# Altium PCB core.PcbDoc (continued)
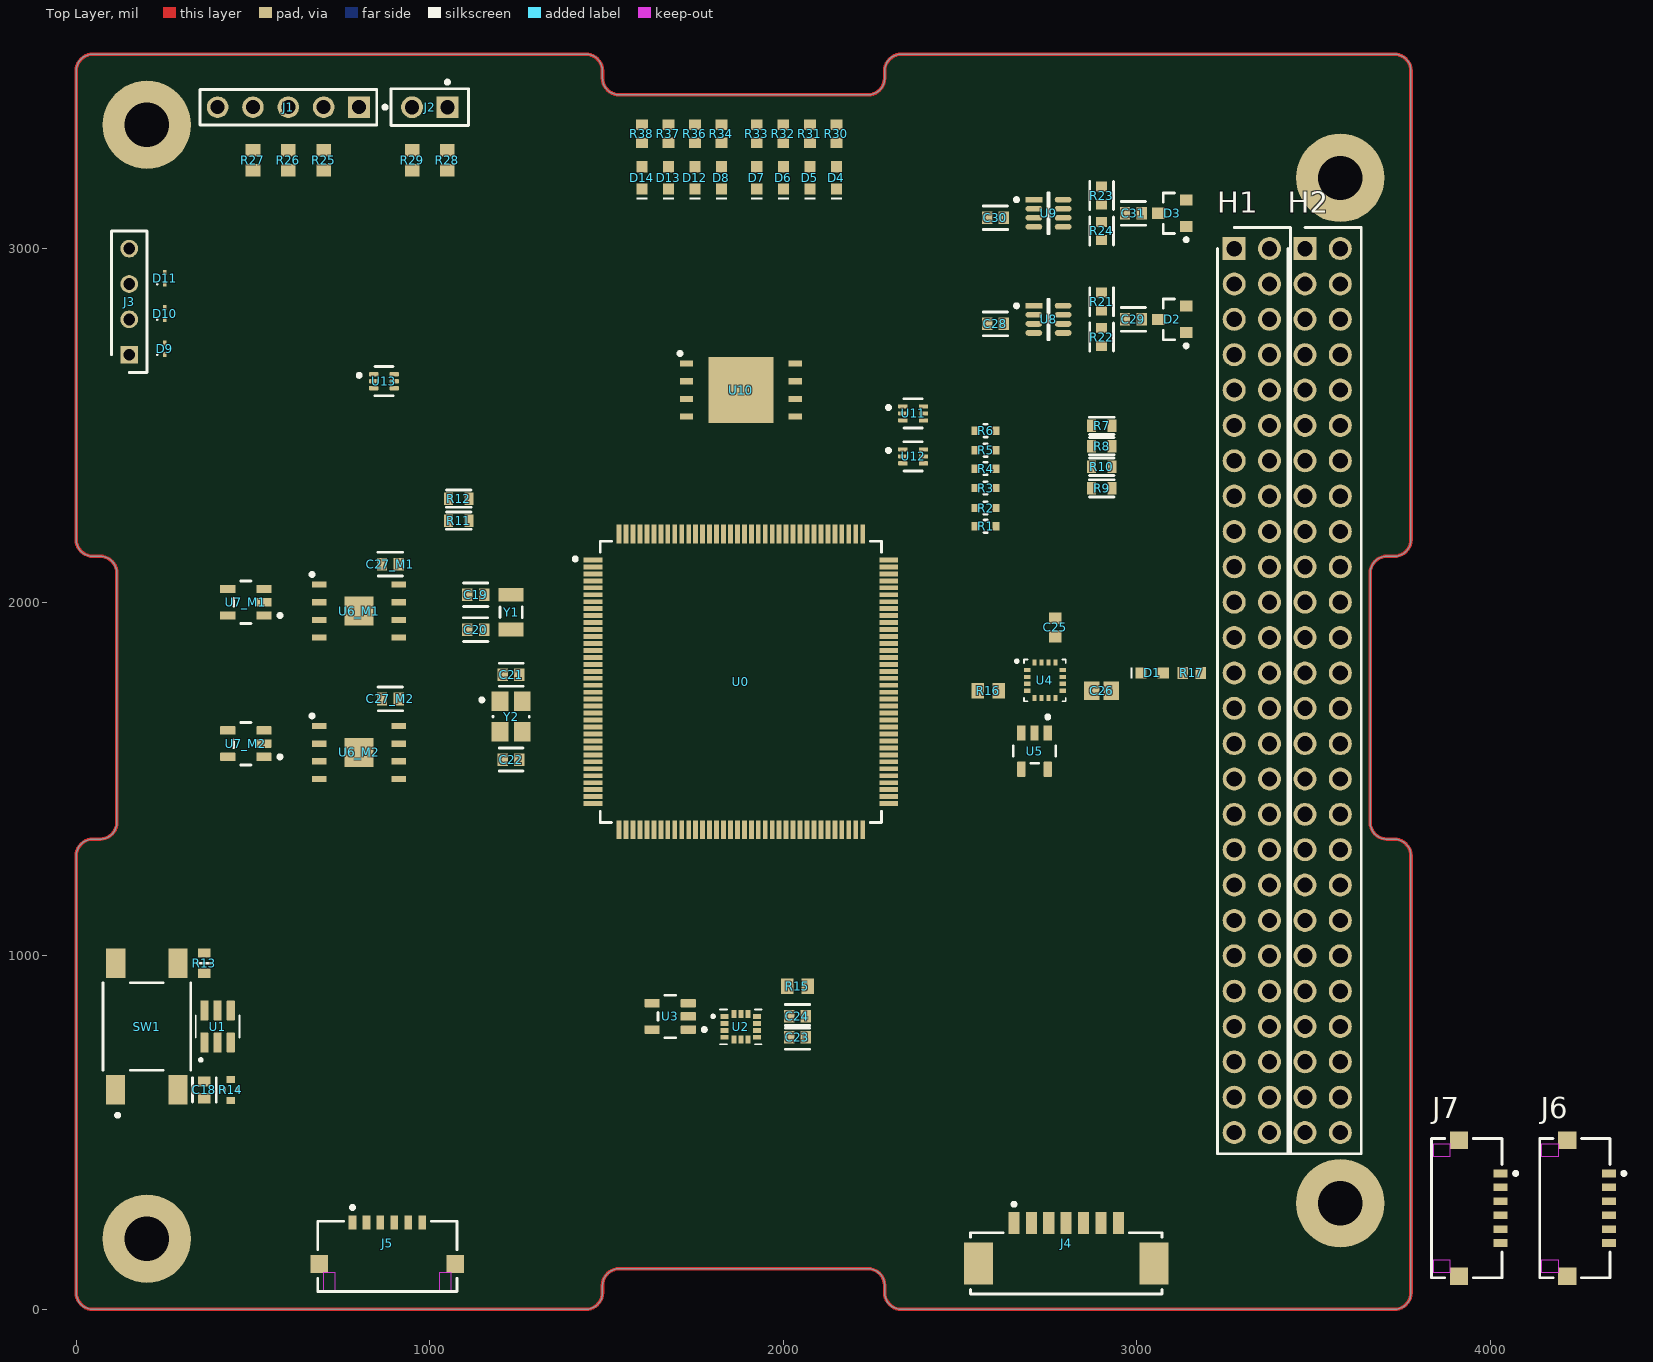
[diagram p0: Top Layer view]
## Footprints (in the part's own frame and the unit in brackets; to place one, negate y for a bottom-side part, rotate by r counter-clockwise, add the part's x,y. Pads: shape width x height; smd on the part's side, far side on the other; paste and mask are expansions set on the pad) (continued)
  silkscreen extent -1.52,-1.2 65.02,4.05, body extent -1.52,-1.2 65.02,3.74, height 11.35
SON127P600X500X90-9N-D [mm]
  rect 1.05x0.45 smd: 1(-2.85,1.905) 2(-2.85,0.635) 3(-2.85,-0.635) 4(-2.85,-1.905) 5(2.85,-1.905) 6(2.85,-0.635) 7(2.85,0.635) 8(2.85,1.905)
  rect 2.1x2.1 smd: 9(0,0)
  silkscreen extent -3.5,2.51 -3.25,2.75, body extent -3.05,-2.5 3.05,2.5, height 0.9
SON127P800X600X80-9N-D [mm]
  rect 0.95x0.45 smd: 1(-3.9,1.905) 2(-3.9,0.635) 3(-3.9,-0.635) 4(-3.9,-1.905) 5(3.9,-1.905) 6(3.9,-0.635) 7(3.9,0.635) 8(3.9,1.905)
  rect 4.65x4.75 smd: 9(0,0)
  silkscreen extent -4.5,2.51 -4.25,2.75, body extent -4.05,-3 4.05,3, height 0.8
SOT95P280X110-6N [mm]
  rrect25% 1.45x0.59 smd: 1(-1.155,0.95) 2(-1.155,0) 3(-1.155,-0.95) 4(1.155,-0.95) 5(1.155,0) 6(1.155,0.95)
  silkscreen extent -2.5,-1.57 0.8,1.57, body extent -1.4,-1.45 1.4,1.45, height 1.1
WL-SMCW_0603_150060xx75000 [mm] "SMD Mono-color Chip LED, body 1.60 x 0.80 mm"
  rect 0.8x0.8 smd: 1(-0.8,0) 2(0.8,0)
  silkscreen extent -1.55,-0.4 -1.4,0.4, body extent -0.8,-0.4 0.8,0.4, height 0.7
XDCR_ISM330ISNTR [mm]
  rect 0.575x0.35 smd mask+0.05: 1(-1.162,0.75) 2(-1.162,0.25) 3(-1.162,-0.25) 4(-1.162,-0.75) 8(1.162,-0.75) 9(1.162,-0.25) 10(1.162,0.25) 11(1.162,0.75)
  rect 0.35x0.575 smd mask+0.05: 5(-0.5,-0.913) 6(0,-0.913) 7(0.5,-0.913) 12(0.5,0.913) 13(0,0.913) 14(-0.5,0.913)
  silkscreen extent -2.1,-1.25 1.5,1.25, body extent -1.5,-1.25 1.5,1.25, height 0.86

## Part data
C1 C4: library part CMP-06035-000034-2, "CAP CER 4.7UF 10V X7S 0603", Case Code (Imperial)=0603, Case Code (Metric)=1608, Dielectric=X7S, Max Operating Temperature=125°C, Min Operating Temperature=-55°C, Package Quantity=4000, Resistor Type=Ceramic, Tolerance=10%, Voltage Rating=10V, Capacitance=4.7uF, Case/Package=0603, Height=0.8mm, Length=1.6mm, Material=Ceramic, Mount="Surface Mount", Packaging="Tape and Reel", Termination=SMD/SMT, Thickness=0.037inch, Voltage Rating (DC)=10V, Weight=0.000222oz, Width=0.8mm
C2 C3 C5 C6 C7 C8 C9 C10 C11 C12 C13 C17 C18 C23 C24 C27_M1 C27_M2 C28 C30: library part CMP-2006-03061-2, "CAP CER 0.1UF 50V X7R 0603", Capacitance="0.10 μF", Manufacturer=KEMET, Manufacturer Part Number=C0603C104K5RACTU, Package=C0603C-CF, Temperature="-55°C to +125°C", Temperature Characteristic=X7R, Temperature Coefficient=30ppm/°C, Temperature Range High=+125°C, Temperature Range Low=-55°C, Tolerance=0.1, Voltage Rating="50 V", Automotive=Yes, Automotive Grade="Grade 1", Category=Cap, ComponentLink2Description=Datasheet, ComponentLink2URL=https://api.kemet.com/component-edge/download/datasheet/C0603C100J5GACAUTO.pdf, Device Class L1="Passive Components", Device Class L2=Capacitors, Device Class L3="Ceramic Capacitors", Digikey Description="CAP CER 0.1UF 50V X7R 0603", Height=0.87mm, Lead Free=Yes, Material=Ceramic, Octopart=https://octopart.com/c0603c104k5ractu-kemet-139244, RoHS=TRUE
C14: library part CMP-2006-02943-2, "Chip Multilayer Ceramic Capacitors for General Purpose, 0603, 10000pF, X7R, 15%, 10%, 100V", Case Code (Imperial)=0603, Case Code (Metric)=1608, Dielectric=X7R, Max Operating Temperature=125°C, Min Operating Temperature=-55°C, Package Quantity=4000, Tolerance=10%, Voltage=100V, Capacitance=10nF, Case/Package=0603, Depth=0.8mm, Height=0.8mm, Lead Free="Lead Free", Length=1.6mm, Material=Ceramic, Mount="Surface Mount", Packaging="Tape and Reel", Radiation Hardening=No, REACH SVHC="No SVHC", Termination=SMD/SMT, Thickness=0.035inch, Voltage Rating=100V, Voltage Rating (DC)=100V, Width=0.031inch
C15 C16 C25: library part CMP-2006-02298-2, Manufacturer=Kemet, Part Number=C0603C105K4RACTU
C19 C20: library part CMP-2006-03373-2, "CAP CER 1.5PF 100V NP0 0603", Capacitance="1.5 pF", Manufacturer=KEMET, Manufacturer Part Number=C0603C159C1GACTU, Package=C0603C-CF, Temperature="-55°C to +125°C", Temperature Characteristic=C0G, Temperature Coefficient=30ppm/°C, Temperature Range High=+125°C, Temperature Range Low=-55°C, Tolerance="0.25 pF", Voltage Rating="100 V", Automotive=Yes, Automotive Grade="Grade 1", Category=Cap, ComponentLink2Description=Datasheet, ComponentLink2URL=https://api.kemet.com/component-edge/download/datasheet/C0603C100J5GACAUTO.pdf, Device Class L1="Passive Components", Device Class L2=Capacitors, Device Class L3="Ceramic Capacitors", Digikey Description="CAP CER 1.5PF 100V NP0 0603", Height=0.87mm, Lead Free=Yes, Material=Ceramic, Mouser Description="Multilayer Ceramic Capacitors MLCC - SMD/SMT 100volts 1.5pF C0G 0.25%", Octopart=https://octopart.com/c0603c159c1gactu-kemet-9144220, RoHS=TRUE
C21 C22: library part CMP-2006-02987-2, "CAP CER 3.9PF 250V C0G/NP0 0603", Capacitance="3.9 pF", Manufacturer=KEMET, Manufacturer Part Number=CBR06C399CAGAC, Package=CBR06C, Temperature="-55°C to +125°C", Temperature Characteristic=C0G, Temperature Coefficient=30ppm/°C, Temperature Range High=+125°C, Temperature Range Low=-55°C, Tolerance="0.25 pF", Voltage Rating="250 V", Automotive=No, Category=Cap, ComponentLink2Description=Datasheet, ComponentLink2URL=https://content.kemet.com/datasheets/KEM_C1030_CBR_SMD.pdf, Device Class L1="Passive Components", Device Class L2=Capacitors, Device Class L3="Ceramic Capacitors", Digikey Description="CAP CER 3.9PF 250V C0G/NP0 0603", Height=0.87mm, Ipc Land Pattern Name=CAPC16080X80, Lead Free=Yes, Material=Ceramic, Mouser Description="Multilayer Ceramic Capacitors MLCC - SMD/SMT 250volts 3.9pF C0G 0603 .25pF Tol RF", Octopart=https://octopart.com/cbr06c399cagac-kemet-20446767, RoHS=TRUE
C26: library part CMP-2007-01044-1, Manufacturer=Kemet, Part Number=C0805C106K8RACTU
C29 C31: library part CMP-2006-03218-2, "CAP CER 4700PF 200V 10% X7R 0603", Capacitance="4,700 pF", Manufacturer=KEMET, Package=C0603C-CF, Temperature="-55°C to +125°C", Temperature Characteristic=X7R, Temperature Coefficient=30ppm/°C, Temperature Range High=+125°C, Temperature Range Low=-55°C, Tolerance=0.1, Voltage Rating="200 V", Automotive=Yes, Automotive Grade="Grade 1", Category=Cap, ComponentLink2Description=Datasheet, ComponentLink2URL=https://api.kemet.com/component-edge/download/datasheet/C0603C100J5GACAUTO.pdf, Device Class L1="Passive Components", Device Class L2=Capacitors, Device Class L3="Ceramic Capacitors", Digikey Description="CAP CER 4700PF 200V 10% X7R 0603", Height=0.87mm, Lead Free=Yes, Manufacturer Part Number=C0603C472K2RACTU, Material=Ceramic, Octopart=https://octopart.com/c0603c472k2ractu-kemet-17058096, RoHS=TRUE
D1 D4 D5 D6 D7 D8 D12 D13 D14: library part CMP-1426-00001-4, "LED Low-Power Uni-Color Red 630nm 2V 2-Pin Chip 0603(1608Metric) T/R", Case Code (Imperial)=0603, Case Code (Metric)=1608, Color=Red, Forward Current=100mA, Forward Voltage=2V, Max Junction Temperature (Tj)=95°C, Max Operating Temperature=85°C, Max Reverse Voltage (DC)=5V, Min Operating Temperature=-40°C, Power Dissipation=72mW, Test Current=20mA, Case/Package=0603, Dominant Wavelength=625nm, Height=700µm, Length=1.6mm, Lens Style="Clear, Rectangular", Luminous Intensity=250mcd, Mount="Surface Mount", Packaging="Tape and Reel", Peak Wavelength=630nm, REACH SVHC=Unknown, Reverse Voltage=5V, RoHS=Compliant, Viewing Angle=140°, Wavelength=625nm, Width=800µm
D2 D3: library part CMP-1063-00164-1, "Dual Line CAN Bus Protector, 3-Pin SOT-23, Pb-Free, Tape and Reel", Manufacturer="On Semiconductor", C Max (pF)=30, ComponentLink1Description="Manufacturer URL", ComponentLink1URL=http://www.onsemi.com/, ComponentLink2Description=Datasheet, ComponentLink2URL=http://www.onsemi.cn/pub_link/Collateral/NUP2105L-D.PDF, ComponentLink3Description="Package Specification", ComponentLink3URL=http://www.onsemi.cn/pub_link/Collateral/318-08.PDF, DatasheetVersion="Rev. 5", Direction=Bidirectional, IR Max (uA)=0.1, Mounting Technology="Surface Mount", Number of Lines=2, PackageDescription="3-Pin Small Outline Transistor, Body 2.92 x 1.3 mm, Pitch 0.95 mm", PackageReference=SOT-23-3-318-08, PackageVersion="Rev. AP, 11/2009", Packing="Tape and Reel", PartNumber=NUP2105LT1G, PPK Max (W)=350, RoHS=Pb-Free, V(BR) Min (V)=26.2
D9 D10 D11: library part CMP-1063-00119-1, "Transient Voltage Suppressor, Micro-Packaged Diode for ESD Protection, 2-Pin SOD-923, Pb-Free, Tape and Reel", Manufacturer="On Semiconductor", ComponentLink1Description="Manufacturer URL", ComponentLink1URL=http://www.onsemi.com/, ComponentLink2Description=Datasheet, ComponentLink2URL=http://www.onsemi.cn/pub_link/Collateral/ESD9B-D.PDF, ComponentLink3Description="Package Specification", ComponentLink3URL=http://www.onsemi.com/pub_link/Collateral/514AB.PDF, DatasheetVersion="Rev. 2", Direction=Bidirectional, IR Max (uA)=1, Mounting Technology="Surface Mount", Number of Lines=1, PackageDescription="2-Pin SOD, Body 0.8 x 0.6 mm", PackageReference=SOD-923-2-514AB-01, PackageVersion="Rev. C, 03/2011", Packing="Tape and Reel", PartNumber=ESD9B5.0ST5G, RoHS=Pb-Free, V(BR) Min (V)=5.8, VRWM Max (V)=5
H1 H2: library part CMP-002-00086-1, "PC / 104 Connectors Elevated Socket Strip", Manufacturer_Name=SAMTEC, Mouser Part Number=200-ESQ12639GD001, Arrow Part Number=ESQ-126-39-G-D-001, Arrow Price/Stock=https://www.arrow.com/en/products/esq-126-39-g-d-001/samtec?region=nac, Datasheet Link=http://suddendocs.samtec.com/catalog_english/esq_th.pdf, Design Item ID=ESQ-126-39-G-D-001, Height=11.35mm, Manufacturer_Part_Number=ESQ-126-39-G-D-001, Mouser Price/Stock=https://www.mouser.co.uk/ProductDetail/Samtec/ESQ-126-39-G-D-001?qs=PB6%2FjmICvI2K%2FCIgL4SVbg%3D%3D, Source=SamacSys.SchLib
J1: library part CMP-00257-00655425-1, "90120-0125 2.54mm Pitch C-Grid III Header, Single Row, Vertical, 5 Circuits, Tin (Sn) Plating", Contact Resistance=20mΩ, Current Rating=3A, Housing Color=Black, Manufacturer Lifecycle Status=ACTIVE, Max Operating Temperature=125°C, Max Voltage Rating (DC)=350.35kV, Min Operating Temperature=-55°C, Voltage Rating=350V, Contact Gender=Male, Contact Material=Brass, Contact Plating=Tin, Country of Origin=SK, Gender=Male, Glow Wire Compliant=Non-compliant, Housing Material=Polyester, Lead Free="Lead Free", Lead Length=2.9mm, Lead Pitch=2.54mm, Lifecycle Status=Production, Mating Post Length=6.75mm, Mount="Through Hole", NexarPartId=655425, Number of Circuits=5, Number of Contacts=5, Number of Pins=5, Number of Positions=5, Number of Rows=1, Orientation=Vertical, Packaging=Bulk, Pitch=2.54mm, Plating=Tin, Radiation Hardening=No, REACH SVHC="No SVHC", RoHS=Compliant, Schedule B=8536694040, Termination=Solder, Voltage Rating (AC)=350V
J2: library part CMP-15831-000105-1, "CONN HEADER VERT 2POS 2.54MM", Case/Package=SIL, Color=Black, Contact Resistance=25mR, Current=3A, Flammability Rating="UL94 V-0", Insulation Resistance=10GR, Max Operating Temperature=105°C, Min Operating Temperature=-40°C, Package Quantity=1000, Voltage=50V, Voltage Rating (AC)=750V, Connector Type="Male Pin", Contact Finish - Mating=GOLD, Contact Material=Brass, Contact Mating Length=0.24inch, Contact Plating=Gold, Contact Shape=Square, Contact Type="Male Pin", Current Rating=3A, Depth=2.54mm, Fastening Type=Pull, Gender=Male, Height=0.12inch, Housing Color=Black, Housing Material=Nylon, Insulation Color=Black, Insulation Material=Nylon, Lead Pitch=2.54mm, Length=5.08mm, Mated Stacking Heights=16.54mm, Mating Cycles=300, Max Current Rating=3A, Mount="Through Hole", Number of Contacts=2, Number of Poles=2, Number of Positions=2, Number of Rows=1, Orientation=Straight, Packaging=Bulk, Pitch=2.54mm, Radiation Hardening=No, Reach SVHC Compliant=Yes, Series=M20, Termination=Solder, Weight=0.25lb, Width=0.25inch, Working Voltage=750V
J3: "Connector", Manufacturer_Name=Molex, Mouser Part Number=538-90120-0124, Datasheet Link=https://componentsearchengine.com/Datasheets/2/90120-0124.pdf, Height=9.45mm, Manufacturer_Part_Number=90120-0124, Mouser Price/Stock=https://www.mouser.co.uk/ProductDetail/Molex/90120-0124?qs=PvP5v7EimsmprSEogp1JLQ%3D%3D
J4: library part CMP-04776-000278-1, "CONN HEADER SMD R/A 7POS 1.25MM", Color=Natural, Contact Resistance=20mR, Current Rating=1A, Flammability Rating="UL94 V-0", Insulation Resistance=100MR, Max Operating Temperature=85°C, Min Operating Temperature=-40°C, Voltage Rating=125V, Body Plating=Tin, Connector Type="Blade Pin", Contact Gender=Male, Contact Material=Bronze, Contact Plating=Tin, Contact Type="Blade Pin", Depth=5.2mm, Housing Color=Natural, Housing Material=Nylon, Lead Pitch=1.25mm, Length=13.9mm, Mount="Surface Mount", Number of Contacts=7, Number of Positions=7, Number of Rows=1, Orientation="Right Angle", Packaging="Tape and Reel", Pitch=1.25mm, Radiation Hardening=No, RoHS Compliant=Yes, Series=PicoBlade, Termination=Solder, Voltage Rating (AC)=125V, Working Voltage=125V
J5 J6 J7: library part CMP-04776-000530-1, "CONN HEADER SMD R/A 6POS 1MM"
R1 R2 R3 R4 R5 R6 R14: library part CMP-2000-01851-2, "RES 10K OHM 5% 1/10W 0603", Case Code (Imperial)=0603, Case Code (Metric)=1608, Max Operating Temperature=155°C, Min Operating Temperature=-55°C, Package Quantity=5000, Power Rating=100mW, Resistance=10kR, Resistance Tolerance=5%, Resistor Type="Thick Film", Temperature Coefficient=200ppm/°C, Voltage Rating=50V, Case/Package=0603, Construction=Rectangular, Depth=0.8mm, Height=0.45mm, Lead Free="Lead Free", Length=1.6mm, Military Standard=Not, Number of Pins=2, Packaging="Tape and Reel", RoHS Compliant=Yes, Series=RK73B, Technology="THICK FILM", Termination=SMD/SMT, Tolerance=5%, Voltage Rating (DC)=50V, Width=0.8mm
R7 R8 R9 R10 R11 R12: library part CMP-00287-21317759-1, "ERJ-P03F1000V SMD Chip Resistor, 100 Ohm, ± 1%, 200 mW, 0603 [1608 Metric], Thick Film, Anti-Surge", Case Code (Imperial)=0603, Case Code (Metric)=1608, Max Operating Temperature=155°C, Min Operating Temperature=-55°C, Power Rating=200mW, Resistance=100Ω, Temperature Coefficient=200ppm/°C, Tolerance=1%, Voltage Rating=150V, Case/Package=0603, Composition="Thick Film", Contact Plating=Tin, Depth=800µm, Height=550µm, Length=1.6mm, Lifecycle Status=Production, Military Standard=Not, Mount="Surface Mount", NexarPartId=21317759, Number of Pins=2, Packaging="Cut Tape", Radiation Hardening=No, REACH SVHC="No SVHC", RoHS=Compliant, Schedule B="8533210045, 8533210045", Termination=Tab, Voltage Rating (DC)=150V
R13: library part CMP-2000-00875-2, Case Code (Imperial)=0603, Case Code (Metric)=1608, Max Operating Temperature=155°C, Max Power Dissipation=100mW, Min Operating Temperature=-55°C, Resistance=100kΩ, Temperature Coefficient=25ppm/°C, Tolerance=0.1%, Voltage Rating=75V, Case/Package=0603, Composition="Thin Film", Contact Plating=Tin, Depth=800µm, Features="Automotive AEC-Q200", Height=450µm, Lead Free="Lead Free", Length=1.6mm, Lifecycle Status=Production, Military Standard=Not, Mount="Surface Mount", NexarPartId=1243428, Number of Pins=2, Number of Terminations=2, Packaging="Cut Tape", Power Rating=100mW, Radiation Hardening=No, REACH SVHC="No SVHC", RoHS=Compliant, Schedule B="8533210045, 8533210045", Termination=SMD/SMT, Voltage Rating (DC)=75V, Width=800µm, Working Voltage=75V
R15 R16 R18_M1 R18_M2 R19_M1 R19_M2 R20_M1 R20_M2 R35: library part CMP-2000-01852-1, Manufacturer="KOA Speer", Part Number=RK73B1JTTD104J
R17 R30 R31 R32 R33 R34 R36 R37 R38: library part CMP-2000-00435-2, "Chip Resistor, 330 Ohm, +/- 1%, 0.1 W, -55 to 155 degC, 0603 (1608 Metric), RoHS, Tape and Reel", Current Rating="500 mA", Max Operating Temperature="85 degC", Min Operating Temperature="-25 degC", Package Quantity=1500, Voltage Rating="10 V", ComponentLink1Description="Manufacturer URL", ComponentLink1URL=http://www.panasonic.com/, ComponentLink2Description=Datasheet, ComponentLink2URL=http://industrial.panasonic.com/cdbs/www-data/pdf/RDA0000/AOA0000C86.pdf, Contact Finish=Gold, Contact Material=Copper, Contact Plating=Gold, DatasheetVersion=Apr-15, Gender=Male, Height="1.45 mm", Lead Pitch="1.1 mm", Length="13.7 mm", Mating Cycles=10000, Mount="Surface Mount", PackageDescription="2-Pin Surface Mount Device, Body 1.6 x 0.85 mm", PackageReference=0603, Packaging="Tape and Reel", Pins=8, REACH SVHC="No SVHC", RoHSCompliant=true, Width="1.45 mm"
R21 R22 R23 R24: library part CMP-13261-005441-1, "Res Thick Film 0603 60.4Ω 1% 0.1W ±100ppm/°C Molded SMD T/R", Case Code (Imperial)=0603, Case Code (Metric)=1608, Max Operating Temperature=155°C, Max Power Dissipation=100mW, Min Operating Temperature=-55°C, Resistance=60.4R, Temperature Coefficient=100ppm/°C, Tolerance=1%, Voltage Rating (DC)=50V, Case/Package=0603, Composition="Thick Film", Contact Plating=Tin, Depth=0.8mm, Features="Moisture Resistant", Height=0.022inch, Lead Free="Lead Free", Length=0.063inch, Military Standard=Not, Number of Terminations=2, Packaging="Tape and Reel", Power Rating=100mW, Radiation Hardening=No, Width=0.031inch
R25 R26 R27 R28 R29: library part CMP-2000-00538-1, Manufacturer=Panasonic, Part Number=ERJ-3EKF49R9V
SW1: library part CMP-03402-000003-1, "SWITCH TACTILE SPST-NO 0.05A 24V", Contact Current Rating=50mA, Contact Resistance=100mΩ, Manufacturer="TE Connectivity", Operating Force=260gf, Package=0, Temperature="-35°C to +85°C", Temperature Range High=+85°C, Temperature Range Low=-35°C, Voltage Rating Dc=24V, Automotive=No, Category=Switch, ComponentLink2Description=Datasheet, ComponentLink2URL=https://www.te.com/commerce/DocumentDelivery/DDEController?Action=showdoc&DocId=Customer+Drawing%7F2-1437565-7%7FV%7Fpdf%7FEnglish%7FENG_CD_2-1437565-7_V.pdf%7F2-1437565-8, Device Class L1=Electromechanical, Device Class L2=Switches, Device Class L3="Pushbutton Switches", Digikey Description="SWITCH TACTILE SPST-NO 0.05A 24V", Electromechanical Life=100000Cycles, Height=4.59mm, Lead Free=Yes, Manufacturer Part Number=FSM2JSMAA, Mount="Surface Mount", Mouser Description="Tactile Switches TACTILE 260G FORCE S", Octopart=https://octopart.com/fsm2jsmaa-te+connectivity-41720620, RoHS=TRUE, Standoff Height=0.05mm, Throw Configuration=SPST-NO
U0: library part CMP-12105-000038-2, "IC MCU 32BIT 1MB FLASH 144LQFP", Ambient Temperature Range High=85°C, Frequency=80MHz, Manufacturer Package Identifier=LQFP144-1A, Max Junction Temperature (Tj)=105°C, Max Supply Voltage=3.6V, Min Operating Temperature=-40°C, Min Supply Voltage=1.05V, Nominal Supply Current=30nA, Core Architecture="ARM Cortex-M4", Data Bus Width=32b, Flash Memory Size=1MB, Height=1.6mm, Interface="CAN, I2C, I2S, IrDA, LIN, SPI, UART, USART, USB", Lifecycle Status=Production, Max Operating Temperature=85°C, Memory Size=1MB, Memory Type=FLASH, NexarPartId=80927210, Number of A/D Converters=3, Number of ADC Channels=24, Number of Channels=24, Number of D/A Converters=2, Number of I2C Channels=4, Number of I/Os=115, Number of PWM Channels=28, Number of SPI Channels=3, Number of Timers/Counters=2, Number of UART Channels=2, Number of USART Channels=3, Number of USB Channels=1, RAM Size=320kB, RoHS=Non-Compliant, Schedule B="8542310000, 8542310000"
U1: library part CMP-049-000000-1, "Automotive AEC-Q100, nano-powered system timer with watchdog function", Package="SOT-23-THN-6 Texas Instruments", Check_prices=https://www.snapeda.com/parts/TPL5010QDDCTQ1/Texas+Instruments/view-part/?ref=eda, Component Type=Standard, Design Item ID=TPL5010QDDCTQ1, MF="Texas Instruments", MP=TPL5010QDDCTQ1, Pin Count=6, SnapEDA_Link=https://www.snapeda.com/parts/TPL5010QDDCTQ1/Texas+Instruments/view-part/?ref=snap, Source=TPL5010QDDCTQ1.SchLib
U2: library part CMP-064-000000-1, "Accelerometer, Gyroscope, Temperature, 6 Axis Sensor I2C, SPI Output", Package="VFLGA-14 STMicroelectronics", Check_prices=https://www.snapeda.com/parts/ISM330ISNTR/STMicroelectronics/view-part/?ref=eda, Component Type=Standard, Design Item ID=ISM330ISNTR, MF=STMicroelectronics, MP=ISM330ISNTR, Pin Count=14, SnapEDA_Link=https://www.snapeda.com/parts/ISM330ISNTR/STMicroelectronics/view-part/?ref=snap, Source=ISM330ISNTR.SchLib
U3 U5 U7_M1 U7_M2: library part CMP-0859-00018-4, "IC BUF NON-INVERT 5.5V SOT23-5", Ambient Temperature Range High=+125°C, Ambient Temperature Range Low=-40°C, Manufacturer="Texas Instruments", Max Supply Voltage=5.5V, Min Supply Voltage=1.65V, Nominal Supply Current=10uA, Package=DBV0005A, Temperature="-40°C to +125°C", Automotive=No, Category=IC, ComponentLink2Description=Datasheet, ComponentLink2URL=http://www.ti.com/lit/ds/symlink/sn74lvc1g125.pdf, Device Class L1="Integrated Circuits (ICs)", Device Class L2="Logic ICs", Device Class L3="Logic Gates", Digikey Description="IC BUF NON-INVERT 5.5V SOT23-5", Height=1.45mm, Lead Free=Yes, Logic Function Desc=Non-Inverting, Manufacturer Part Number=SN74LVC1G125DBVT, Mouser Description="Buffers & Line Drivers SNGL Bus Buffer Gate", Number of Circuits=1, Number Of Inputs=1, Number Of Outputs=1, Octopart=https://octopart.com/sn74lvc1g125dbvt-texas+instruments-1006799, Propagation Delay=4.2ns, RoHS=TRUE, Standoff Height=0mm, Temperature Range High=+125°C, Temperature Range Low=-40°C
U4: library part CMP-051-000000-1, "MMC5983 series Magnetic, Magnetometer Sensor Evaluation Board", Package="VFLGA-16 Memsic Inc.", Availability="In Stock", Check_prices=https://www.snapeda.com/parts/MMC5983MA/Memsic+Inc./view-part/?ref=eda, Component Type=Standard, Design Item ID=MMC5983MA, MF="Memsic Inc.", MP=MMC5983MA, Pin Count=16, Price=None, Purchase-URL=https://pricing.snapeda.com/search/part/MMC5983MA/?ref=eda, SnapEDA_Link=https://www.snapeda.com/parts/MMC5983MA/Memsic+Inc./view-part/?ref=snap, Source=MMC5983MA.SchLib
U6_M1 U6_M2: "Integrated Circuit", Manufacturer_Name="Everspin Technologies", Mouser Part Number=936-MR25H40MDF, Arrow Part Number=MR25H40MDF, Arrow Price/Stock=https://www.arrow.com/en/products/mr25h40mdf/everspin-technologies?utm_currency=USD&region=europe, Datasheet Link=https://datasheet.datasheetarchive.com/originals/distributors/Datasheets-DGA23/1514724.pdf, Height=0.9mm, Manufacturer_Part_Number=MR25H40MDF, Mouser Price/Stock=https://www.mouser.co.uk/ProductDetail/Everspin-Technologies/MR25H40MDF?qs=laR3Dyet2Vc5UBOlfE70WA%3D%3D
U8 U9: library part CMP-04872-000198-1, "IC TRANSCEIVER 1/1 SOT23-8", Case/Package=SOT-23, Max Operating Temperature=125°C, Max Supply Voltage=3.6V, Min Operating Temperature=-40°C, Min Supply Voltage=3V, Interface=CAN, Lead Free="Lead Free", Number of Pins=8, Packaging="Cut Tape", REACH SVHC="No SVHC", RoHS Compliant=Yes
U10: "Integrated Circuit", Manufacturer_Name=Infineon, Mouser Part Number=727-S25HL512TFANHI01, Datasheet Link=https://datasheet.datasheetarchive.com/originals/distributors/Datasheets_SAMA/73f7ac27cabd57f4f78d8f5aeecdde91.pdf, Height=0.8mm, Manufacturer_Part_Number=S25HL512TFANHI010, Mouser Price/Stock=https://www.mouser.co.uk/ProductDetail/Infineon-Technologies/S25HL512TFANHI010?qs=BJlw7L4Cy7%252B6M3sHZp0BRA%3D%3D
U11 U12 U13: library part CMP-0859-00812-4, "IC BUFFER NON-INVERT 5.5V 6SOT", Case/Package=SOT, High Level Output Current=-32mA, Low Level Output Current=32mA, Max Operating Temperature=125°C, Max Supply Voltage=5.5V, Min Operating Temperature=-40°C, Min Supply Voltage=1.65V, Package Quantity=4000, Quiescent Current=10uA, Contact Plating=Gold, Lead Free="Lead Free", Logic Function=Buffer, Mount="Surface Mount", Number of Bits=2, Number of Bits per Element=1, Number of Channels=2, Number of Elements=2, Number of Gates=2, Number of Input Lines=2, Number Of Inputs=2, Number of Output Lines=2, Number Of Outputs=2, Number of Pins=6, Packaging="Tape and Reel", Polarity=Non-Inverting, Propagation Delay=8.6ns, Radiation Hardening=No, REACH SVHC="No SVHC", RoHS Compliant=Yes, Series=74LVC, Technology=CMOS, Turn-On Delay Time=8.6ns
Y1: library part CMP-200220-000018-1, "CRYSTAL 32.7680KHZ 6PF SMD", Case/Package=SMD/SMT, ESR (Equivalent Series Resistance)=70kR, Frequency=32.768kHz, Load Capacitance=6pF, Max Operating Temperature=85°C, Min Operating Temperature=-40°C, Ratings=AEC-Q200, Mount="Surface Mount", Packaging="Tape and Reel"
Y2: library part CMP-200220-000007-1, "CRYSTAL 16.0000MHZ 8PF SMD", Case/Package=SMD/SMT, ESR (Equivalent Series Resistance)=80R, Frequency=16MHz, Frequency Stability=30ppm, Frequency Tolerance=20ppm, Load Capacitance=8pF, Max Operating Temperature=85°C, Min Operating Temperature=-40°C, Package Quantity=3000, Height=0.035inch, Length=0.126inch, Mount="Surface Mount", Number of Pins=4, Packaging="Tape and Reel", Width=0.098inch

## Free pads (board coordinates)
  round 250 hole 125.2: 1(200,3350) 2(3575.2,3200) 3(3575.2,300) 4(200,200)

## Nets (pads, with @x,y where several pads share a name; then routed paths per layer and width w, separated by ;. In a path a pad name is that pad's centre, name@x,y a point inside that pad or via, vN(x,y) a via of type N, cw(c..) or ccw(c..) an arc to the next point about the centre after c; other vN are vias at no path point)
3V3_A: C23.1 C24.1 C25.1 C27_M1.1 C27_M2.1 C28.1 C30.1 H1.47 H1.48 H1.49 J4.6 J5.6 J6.6 J7.6 R15.2 R16.2 R18_M1.1 R18_M2.1 R19_M1.1 R19_M2.1 R20_M1.2 R20_M2.2 R35.2 U2.5 U2.8 U3.5 U4.2 U4.13 U5.5 U6_M1.8 U6_M2.8 U7_M1.5 U7_M2.5 U8.3 U9.3 U10.8
3V3_B: H1.50 H1.51 H1.52
5V0: H1.25 H1.26 H2.25 H2.26 R17.1
A_2_OBC: H1.7 U11.1
ADC1_INP5: U0.34
ADC1_INP6: U0.35
ADC1_INP7: U0.36
ADC1_INP8: U0.37
ADC1_INP9: U0.40
ADC1_INP10: U0.41
ADC1_INP11: U0.42
ADC1_INP12: U0.43
ADC3_INP1: U0.26
ADC3_INP2: U0.27
ADC3_INP3: U0.28
ADC3_INP4: U0.29
B_2_OBC: H1.8 U11.3
BOOT0: U0.138
CAN1_RX: U0.114 U8.1
CAN1_TX: U0.115 U8.4
CAN2_RX: U0.73 U9.1
CAN2_TX: U0.74 U9.4
CAN_A_H: D2.2 H1.3 R21.1 U8.7
CAN_A_L: D2.1 H1.1 R22.2 U8.6
CAN_B_H: D3.2 H1.4 R23.1 U9.7
CAN_B_L: D3.1 H1.2 R24.2 U9.6
DEBUG_2_OBC: D11.1 J3.3 U13.1
DEBUG_LED1: D4.1 U0.56
DEBUG_LED2: D5.1 U0.57
DEBUG_LED3: D6.1 U0.87
DEBUG_LED4: D7.1 U0.88
DEBUG_LED5: D8.1 U0.89
DEBUG_LED6: D12.1 U0.90
DEBUG_LED7: D13.1 U0.91
DEBUG_LED8: D14.1 U0.127
DONE: U0.135 U1.4
DRDY_MMC5983MA: U4.15
ESP_2_OBC: H1.15 U12.3
GND: C1.2 C2.2 C3.2 C4.2 C5.2 C6.2 C7.2 C8.2 C9.2 C10.2 C11.2 C12.2 C13.2 C14.2 C15.1 C16.1 C17.2 C18.2 C19.2 C20.2 C21.2 C22.2 C23.2 C24.2 C25.2 C26.2 C27_M1.2 C27_M2.2 C28.2 C29.2 C30.2 C31.2 D1.1 D2.3 D3.3 D9.2 D10.2 D11.2 H1.33 H1.34 H2.29 H2.30 H2.31 H2.32 H2.50 H2.52 J1.5 J3.4 J4.7 J4.8 J4.9 J5.5 J5.7 J5.8 J6.5 J6.7 J6.8 J7.5 J7.7 J7.8 R14.1 U0.16 U0.30 U0.31 U0.38 U0.51 U0.61 U0.71 U0.83 U0.94 U0.107 U0.120 U0.130 U0.143 U1.2 U2.2 U2.3 U2.6 U2.7 U3.3 U4.9 U4.11 U5.3 U6_M1.4 U6_M1.9 U6_M2.4 U6_M2.9 U7_M1.3 U7_M2.3 U8.2 U9.2 U10.4 U10.9 U11.2 U12.2 U13.2 Y2.2 Y2.4
GPS_2_OBC: J4.5 U13.3
I2C1_SCL: U0.129
I2C1_SDA: U0.128
I2C2_SCL: H1.21 R3.1 U0.11
I2C2_SDA: H1.23 R4.1 U0.10
I2C3_SCL: H1.43 R5.1 U0.92
I2C3_SDA: H1.41 R6.1 U0.99
IMU_MISO_BUF: U2.1 U3.2
INT1_ISM330ISN: U2.4
INT2_ISM330ISN: U2.9
KS_OPEN: H2.51
LPUART1_RX: U0.93 U13.4
LPUART1_TX: R12.2 U0.70
MAG_MISO_BUF: U4.5 U5.2
MRAM_MISO_BUF_M1: U6_M1.2 U7_M1.2
MRAM_MISO_BUF_M2: U6_M2.2 U7_M2.2
nCS_ISM330ISN: R15.1 U2.12 U3.1
nCS_MMC5983MA: R16.1 U4.4 U5.1
nCS_MRAM_M1: R20_M1.1 U6_M1.1 U7_M1.1
nCS_MRAM_M2: R20_M2.1 U6_M2.1 U7_M2.1
nCubeReset: H2.47
NetC26_1: C26.1 U4.10
NetC29_1: C29.1 R21.2 R22.1
NetC31_1: C31.1 R23.2 R24.1
NetD1_2: D1.2 R17.2
NetD4_2: D4.2 R30.2
NetD5_2: D5.2 R31.2
NetD6_2: D6.2 R32.2
NetD7_2: D7.2 R33.2
NetD8_2: D8.2 R34.2
NetD9_1: D9.1 J3.1
NetD12_2: D12.2 R36.2
NetD13_2: D13.2 R37.2
NetD14_2: D14.2 R38.2
NetJ1_2: J1.2 R25.2
NetJ1_3: J1.3 R26.2
NetJ1_4: J1.4 R27.2
NetJ2_1: J2.1 R28.2
NetJ2_2: J2.2 R29.2
NetR14_2: R14.2 SW1.1 SW1.2 U1.3
NetR18_M1_2: R18_M1.2 U6_M1.3
NetR18_M2_2: R18_M2.2 U6_M2.3
NetR19_M1_2: R19_M1.2 U6_M1.7
NetR19_M2_2: R19_M2.2 U6_M2.7
nRESET: J1.1 R13.2 U0.25 U1.6
nRESET_GPS: J4.3
OBC_2_A: H1.5 R7.1
OBC_2_B: H1.6 R8.1
OBC_2_DEBUG: D10.1 J3.2 R11.1
OBC_2_EPS: H1.13 R9.1
OBC_2_GPS: J4.4 R12.1
OBC_2_SR: H1.22 R10.1
OTG_DM: U0.103
OTG_DP: U0.104
OTG_ID: U0.102
PC14: C19.1 U0.8 Y1.1
PC15: C20.1 U0.9 Y1.2
PH0: C21.1 U0.23 Y2.1
PH1: C22.1 U0.24 Y2.3
QUADSPI_BK1_IO0: U0.20 U10.5
QUADSPI_BK1_IO1: U0.21 U10.2
QUADSPI_BK1_IO2: U0.19 U10.3
QUADSPI_BK1_IO3: U0.18 U10.7
QUADSPI_BK1_NCS: R35.1 U0.64 U10.1
QUADSPI_CLK: U0.22 U10.6
RBF_OPEN: H2.49
SPI1_MISO: J5.3 J6.3 J7.3 U0.67 U3.4 U5.4
SPI1_MOSI: J5.4 J6.4 J7.4 U0.68 U2.14 U4.16
SPI1_nCS1: J5.1
SPI1_nCS2: J6.1
SPI1_nCS3: J7.1
SPI1_SCK: J5.2 J6.2 J7.2 U0.66 U2.13 U4.1
SPI2_MISO: U0.75 U7_M1.4 U7_M2.4
SPI2_MOSI: U0.76 U6_M1.5 U6_M2.5
SPI2_SCK: U0.69 U6_M1.6 U6_M2.6
SPI3_MISO: U0.125
SPI3_MOSI: U0.126
SPI3_SCK: U0.124
SR_2_OBC: H1.24 U12.1
SWCLK: R26.1 U0.109
SWDIO: R25.1 U0.110
SWO: R27.1 U0.133
TDI: R29.1 U0.105
TRST: R28.1 U0.134
UART4_RX: U0.112 U12.4
UART4_TX: R9.2 U0.111
UART5_RX: U0.116 U12.6
UART5_TX: R10.2 U0.113
UART_A_CTS: H1.11 U0.117
UART_A_RTS: H1.9 U0.118
UART_B_CTS: H1.12 U0.80
UART_B_RTS: H1.10 U0.47
UNREG_1: H2.33 H2.34 H2.35 H2.36
UNREG_2: H2.37 H2.38 H2.39 H2.40
USART1_RX: U0.137 U13.6
USART1_TX: R11.2 U0.101
USART2_RX: U0.122 U11.6
USART2_TX: R7.2 U0.119
USART3_RX: U0.45 U11.4
USART3_TX: R8.2 U0.44
VBAT: H2.45 H2.46
VDD_MCU: C1.1 C2.1 C3.1 C4.1 C5.1 C6.1 C7.1 C8.1 C9.1 C10.1 C11.1 C12.1 C13.1 C14.1 C15.2 C16.2 C17.1 C18.1 H1.45 H1.46 R1.2 R2.2 R3.2 R4.2 R5.2 R6.2 R13.1 R30.1 R31.1 R32.1 R33.1 R34.1 R36.1 R37.1 R38.1 SW1.3 SW1.4 U0.6 U0.17 U0.32 U0.33 U0.39 U0.52 U0.62 U0.72 U0.84 U0.95 U0.106 U0.108 U0.121 U0.131 U0.144 U1.1 U11.5 U12.5 U13.5
WAKE: U0.136 U1.5
pads on no net: H1.14 H1.16 H1.17 H1.18 H1.19 H1.20 H1.27 H1.28 H1.29 H1.30 H1.31 H1.32 H1.35 H1.36 H1.37 H1.38 H1.39 H1.40 H1.42 H1.44 H2.1 H2.2 H2.3 H2.4 H2.5 H2.6 H2.7 H2.8 H2.9 H2.10 H2.11 H2.12 H2.13 H2.14 H2.15 H2.16 H2.17 H2.18 H2.19 H2.20 H2.21 H2.22 H2.23 H2.24 H2.27 H2.28 H2.41 H2.42 H2.43 H2.44 H2.48 J4.1 J4.2 R1.1 R2.1 U0.1 U0.2 U0.3 U0.4 U0.5 U0.7 U0.12 U0.13 U0.14 U0.15 U0.46 U0.48 U0.49 U0.50 U0.53 U0.54 U0.55 U0.58 U0.59 U0.60 U0.63 U0.65 U0.77 U0.78 U0.79 U0.81 U0.82 U0.85 U0.86 U0.96 U0.97 U0.98 U0.100 U0.123 U0.132 U0.139 U0.140 U0.141 U0.142 U2.10 U2.11 U4.3 U4.6 U4.7 U4.8 U4.12 U4.14 U8.5 U8.8 U9.5 U9.8
copper on no net: | length 15165.3
  Top Layer w10: 0,47.24 ccw(c47.24,47.24) 47.24,0 1441.34,0 ccw(c1441.34,47.24) 1488.58,47.24 1488.58,67.72 cw(c1535.83,67.72) 1535.83,114.96 2239.37,114.96 cw(c2239.37,67.72) 2286.61,67.72 2286.61,47.24 ccw(c2333.86,47.24) 2333.86,0 3727.95,0 ccw(c3727.95,47.24) 3775.2,47.24 3775.2,1282.68 ccw(c3727.95,1282.68) 3727.95,1329.92 3727.56,1329.92 3707.09,1329.92 cw(c3707.09,1377.17) 3659.84,1377.17 3659.84,2082.68 cw(c3707.09,2082.68) 3707.09,2129.92 3707.29,2129.92 3727.95,2129.92 ccw(c3727.95,2177.17) 3775.2,2177.17 3775.2,3502.76 ccw(c3727.95,3502.76) 3727.95,3550 2333.86,3550 ccw(c2333.86,3502.76) 2286.61,3502.76 2286.61,3482.28 cw(c2239.37,3482.28) 2239.37,3435.04 1535.83,3435.04 cw(c1535.83,3482.28) 1488.58,3482.28 1488.58,3502.76 ccw(c1441.34,3502.76) 1441.34,3550 47.24,3550 ccw(c47.24,3502.76) 0,3502.76 0,2177.17 ccw(c47.24,2177.17) 47.24,2129.92 67.72,2129.92 cw(c67.72,2082.68) 114.96,2082.68 114.96,1377.17 cw(c67.72,1377.17) 67.72,1329.92 47.24,1329.92 ccw(c47.24,1282.68) 0,1282.68 0,47.24